# Altium PCB RTM_SFP_no-teardrops.PcbDoc (part 3 of 7) (continued)
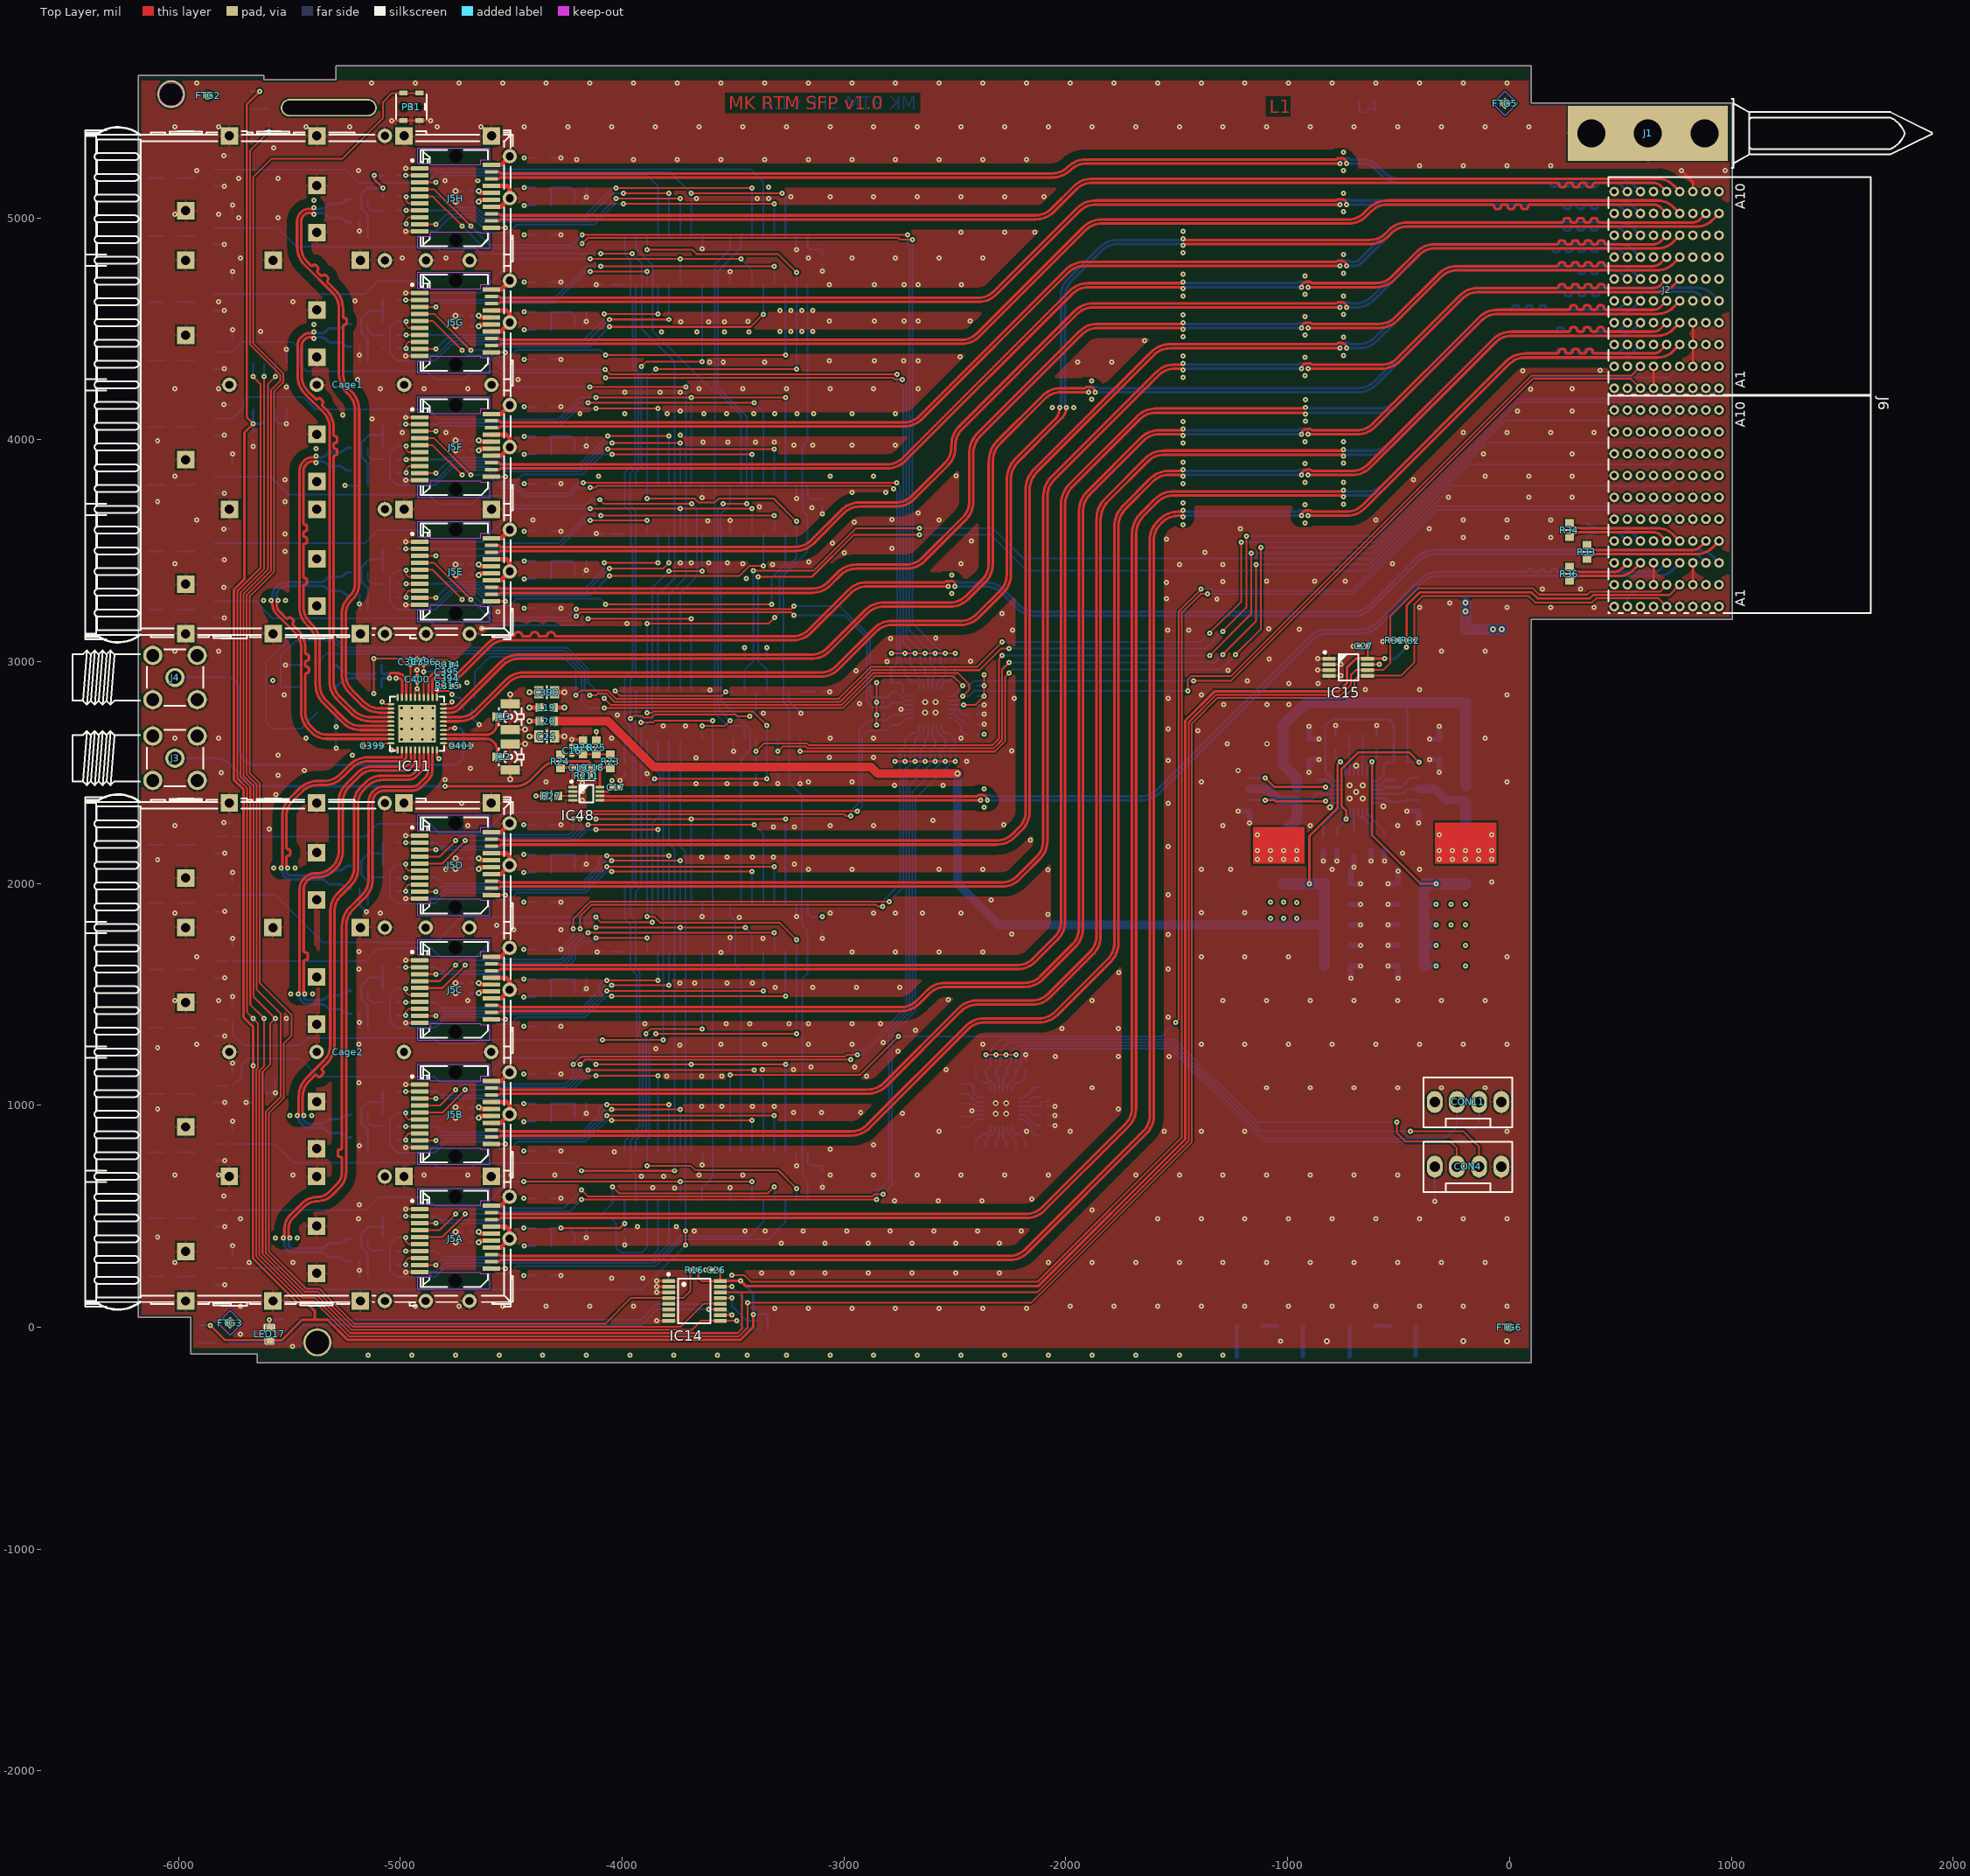
[diagram p0: Top Layer view]
## Nets (pads, with @x,y where several pads share a name; then routed paths per layer and width w, separated by ;. In a path a pad name is that pad's centre, name@x,y a point inside that pad or via, vN(x,y) a via of type N, cw(c..) or ccw(c..) an arc to the next point about the centre after c; other vN are vias at no path point) (continued)
  other v2: -822.83,-62.49 -208.68,-62.49 -11.83,-62.49 -720.87,2383.07 -661.81,2383.07 -691.34,2412.6 -720.87,2442.13 -661.81,2442.13
  other v3: -2316.14,962.2 -2268.9,962.2 -2316.14,1009.45 -2268.9,1009.45 -4995.28,2649.21 -4948.03,2649.21 -4900.79,2649.21 -4853.54,2649.21 -4995.28,2696.46 -4948.03,2696.46 -4900.79,2696.46 -4853.54,2696.46 -4995.28,2743.7 -4948.03,2743.7 -4900.79,2743.7 -4853.54,2743.7 -2634.59,2770.48 -2587.35,2770.48 -4995.28,2790.94 -4948.03,2790.94 -4900.79,2790.94 -4853.54,2790.94 -2634.59,2817.72 -2587.35,2817.72
  other v4: -1224.02,2509.06 -1092.52,2629.92
I2C_RESETN: IC39.24 R28.1 | length 138.1
  Bottom Layer w7.99: IC39.24@-2530.26,2744.89 -2507.88,2744.89 -2472.44,2709.45 -2472.44,2688.19 -2456.69,2672.44 R28.1@-2434.65,2672.44
NetC5_1: C5.1 IC11.34 | length 1612
  Top Layer w10: IC11.34@-4806.3,2690.55 -4786.61,2690.55 -4782.28,2694.88
  Top Layer w12: -4782.28,2694.88 -4776.38,2700.79 v1(-4755.51,2700.79)
  Bottom Layer w12: C5.1@-5760.83,2928.2 -5743.18,2910.55 cw(c-5783.84,2869.95) -5726.38,2869.95 -5726.38,2614.37 ccw(c-5640.35,2614.37) -5701.18,2553.54 ccw(c-5655.56,2599.17) -5655.56,2534.65 -4765.6,2534.65 ccw(c-4765.6,2583.71) -4716.54,2583.71 -4716.54,2677.56 ccw(c-4739.76,2677.56) -4739.76,2700.79 v1(-4755.51,2700.79)
NetC5_2: C5.2 J4.1 | length 219.9
  Bottom Layer w12: J4.1@-6016.16,2928.2 C5.2@-5796.26,2928.2
NetC11_1: C11.1 IC16.10 L1.1 T6.3 T6.7 T6.8 | length 605.4
  Bottom Layer w10: IC16.10@-614.57,2402.76 C11.1@-516.14,2402.76 -480.71,2402.76 -457.68,2425.79 T6.3@-410.24,2425.79
  Bottom Layer w39.37: T6.3@-410.24,2425.79 -334.06,2425.79 -284.06,2375.79 T6.7@-197.64,2375.79
  Bottom Layer w50: L1.1@-197.64,2204.33 T6.8@-197.64,2325.79 -197.64,2362.6
  other v1: -315.75,2109.06 -256.69,2109.06 -197.64,2109.06 -138.58,2109.06 -79.53,2109.06 -315.75,2148.43 -256.69,2148.43 -197.64,2148.43 -138.58,2148.43 -79.53,2148.43 -315.75,2219.29 -79.53,2218.9
NetC11_2: C11.2 IC16.8 | length 108.2
  Bottom Layer w10: IC16.8@-614.57,2442.13 -580.71,2442.13 -557.09,2465.75 C11.2@-516.14,2465.75
NetC16_1: C16.1 R23.1 R24.1 R25.2 R26.2 | length 210.2
  Top Layer w7.99: R24.1@-4266.93,2581.89 R23.1@-4056.69,2581.89
NetC18_1: C18.1 J3.1 R211.1 | length 2012.5
  Top Layer w12: v1(-4797.64,2438.19) -4483.15,2438.19 ccw(c-4483.15,2538.19) -4412.44,2467.48 -4358.82,2521.1 cw(c-4288.11,2450.39) -4288.11,2550.39 -4157.46,2550.39 cw(c-4157.46,2535.16) -4142.23,2535.16 C18.1@-4142.23,2522.83 R211.1@-4142.23,2487.01
  Bottom Layer w12: J3.1@-6016.16,2564.43 -5835.25,2564.43 cw(c-5835.25,2469.47) -5768.15,2536.65 -5698.97,2467.48 ccw(c-5628.26,2538.19) -5628.26,2438.19 v1(-4797.64,2438.19)
NetC18_2: C18.2 IC48.8 R23.2 | length 138.2
  Top Layer w12: IC48.8@-4100.39,2433.46 -4100.39,2516.43 C18.2@-4106.8,2522.83 R23.2@-4060.63,2522.83
NetC19_2: C19.2 IC48.1 R24.2 | length 154.9
  Top Layer w12: R24.2@-4278.74,2518.9 -4274.8,2522.83 C19.2@-4217.04,2522.83 -4222.44,2517.43 IC48.1@-4222.44,2433.46
NetC207_2: C207.2 IC16.16 | length 98.4
  Bottom Layer w10: C207.2@-701.18,2237.4 IC16.16@-701.18,2335.83
NetC214A_1: C214A.1 C220A.1 J5A.16 L5A.2 | length 200.6
  Top Layer w19.68: v2(-4647.55,429.92) -4639.92,422.29 J5A.16@-4590.14,422.29
  Bottom Layer w10: v1(-4443.28,446.84) L5A.2@-4392.29,446.84 ; v1(-4443.28,580.7) C220A.1@-4392.29,580.7
  Bottom Layer w11.81: C214A.1@-4685.6,429.92 v2(-4647.55,429.92)
NetC214B_1: C214B.1 C220B.1 J5B.16 L5B.2 | length 200.6
  Top Layer w19.68: v2(-4647.55,990.94) -4639.92,983.32 J5B.16@-4590.14,983.32
  Bottom Layer w10: v1(-4443.28,1007.87) L5B.2@-4392.29,1007.87 ; v1(-4443.28,1141.72) C220B.1@-4392.29,1141.72
  Bottom Layer w11.81: C214B.1@-4685.6,990.94 v2(-4647.55,990.94)
NetC214C_1: C214C.1 C220C.1 J5C.16 L5C.2 | length 200.6
  Top Layer w19.68: v2(-4647.55,1551.97) -4639.92,1544.34 J5C.16@-4590.14,1544.34
  Bottom Layer w10: v1(-4443.28,1568.89) L5C.2@-4392.29,1568.89 ; v1(-4443.28,1702.75) C220C.1@-4392.29,1702.75
  Bottom Layer w11.81: C214C.1@-4685.6,1551.97 v2(-4647.55,1551.97)
NetC214D_1: C214D.1 C220D.1 J5D.16 L5D.2 | length 200.6
  Top Layer w19.68: v2(-4647.55,2112.99) -4639.92,2105.36 J5D.16@-4590.14,2105.36
  Bottom Layer w10: v1(-4443.28,2129.91) L5D.2@-4392.29,2129.91 ; v1(-4443.28,2263.77) C220D.1@-4392.29,2263.77
  Bottom Layer w11.81: C214D.1@-4685.6,2112.99 v2(-4647.55,2112.99)
NetC214E_1: C214E.1 C220E.1 J5E.16 L5E.2 | length 200.6
  Top Layer w19.68: v2(-4646.99,3437.02) -4639.36,3429.39 J5E.16@-4589.58,3429.39
  Bottom Layer w10: v1(-4442.72,3453.94) L5E.2@-4391.73,3453.94 ; v1(-4442.72,3587.8) C220E.1@-4391.73,3587.8
  Bottom Layer w11.81: C214E.1@-4685.04,3437.02 v2(-4646.99,3437.02)
NetC214F_1: C214F.1 C220F.1 J5F.16 L5F.2 | length 200.6
  Top Layer w19.68: v2(-4646.99,3998.04) -4639.36,3990.41 J5F.16@-4589.58,3990.41
  Bottom Layer w10: v1(-4442.72,4014.96) L5F.2@-4391.73,4014.96 ; v1(-4442.72,4148.82) C220F.1@-4391.73,4148.82
  Bottom Layer w11.81: C214F.1@-4685.04,3998.04 v2(-4646.99,3998.04)
NetC214G_1: C214G.1 C220G.1 J5G.16 L5G.2 | length 200.6
  Top Layer w19.68: v2(-4646.99,4559.06) -4639.36,4551.43 J5G.16@-4589.58,4551.43
  Bottom Layer w10: v1(-4442.72,4575.98) L5G.2@-4391.73,4575.98 ; v1(-4442.72,4709.84) C220G.1@-4391.73,4709.84
  Bottom Layer w11.81: C214G.1@-4685.04,4559.06 v2(-4646.99,4559.06)
NetC214H_1: C214H.1 C220H.1 J5H.16 L5H.2 | length 200.6
  Top Layer w19.68: v2(-4646.99,5120.09) -4639.36,5112.46 J5H.16@-4589.58,5112.46
  Bottom Layer w10: v1(-4442.72,5137.01) L5H.2@-4391.73,5137.01 ; v1(-4442.72,5270.87) C220H.1@-4391.73,5270.87
  Bottom Layer w11.81: C214H.1@-4685.04,5120.09 v2(-4646.99,5120.09)
NetC219A_1: C219A.1 C228A.1 J5A.15 L11A.2 | length 200.5
  Top Layer w19.68: v2(-4647.55,383.27) -4640.02,390.8 J5A.15@-4590.14,390.8
  Bottom Layer w10: v1(-4443.28,233.46) C219A.1@-4392.29,233.46 ; v1(-4442.72,366.13) L11A.2@-4391.73,366.13
  Bottom Layer w11.81: C228A.1@-4685.6,383.27 v2(-4647.55,383.27)
NetC219B_1: C219B.1 C228B.1 J5B.15 L11B.2 | length 200.5
  Top Layer w19.68: v2(-4647.55,944.29) -4640.02,951.82 J5B.15@-4590.14,951.82
  Bottom Layer w10: v1(-4443.28,794.48) C219B.1@-4392.29,794.48 ; v1(-4443.28,927.16) L11B.2@-4392.29,927.16
  Bottom Layer w11.81: C228B.1@-4685.6,944.29 v2(-4647.55,944.29)
NetC219C_1: C219C.1 C228C.1 J5C.15 L11C.2 | length 200.5
  Top Layer w19.68: v2(-4647.55,1505.31) -4640.02,1512.84 J5C.15@-4590.14,1512.84
  Bottom Layer w10: v1(-4443.28,1355.5) C219C.1@-4392.29,1355.5 ; v1(-4443.28,1488.18) L11C.2@-4392.29,1488.18
  Bottom Layer w11.81: C228C.1@-4685.6,1505.31 v2(-4647.55,1505.31)
NetC219D_1: C219D.1 C228D.1 J5D.15 L11D.2 | length 200.5
  Top Layer w19.68: v2(-4647.55,2066.34) -4640.02,2073.87 J5D.15@-4590.14,2073.87
  Bottom Layer w10: v1(-4443.28,1916.53) C219D.1@-4392.29,1916.53 ; v1(-4443.28,2049.21) L11D.2@-4392.29,2049.21
  Bottom Layer w11.81: C228D.1@-4685.6,2066.34 v2(-4647.55,2066.34)
NetC219E_1: C219E.1 C228E.1 J5E.15 L11E.2 | length 200.5
  Top Layer w19.68: v2(-4646.99,3390.36) -4639.46,3397.89 J5E.15@-4589.58,3397.89
  Bottom Layer w10: v1(-4442.72,3240.55) C219E.1@-4391.73,3240.55 ; v1(-4442.72,3373.23) L11E.2@-4391.73,3373.23
  Bottom Layer w11.81: C228E.1@-4685.04,3390.36 v2(-4646.99,3390.36)
NetC219F_1: C219F.1 C228F.1 J5F.15 L11F.2 | length 200.5
  Top Layer w19.68: v2(-4646.99,3951.39) -4639.46,3958.91 J5F.15@-4589.58,3958.91
  Bottom Layer w10: v1(-4442.72,3801.58) C219F.1@-4391.73,3801.58 ; v1(-4442.72,3934.25) L11F.2@-4391.73,3934.25
  Bottom Layer w11.81: C228F.1@-4685.04,3951.39 v2(-4646.99,3951.39)
NetC219G_1: C219G.1 C228G.1 J5G.15 L11G.2 | length 200.5
  Top Layer w19.68: v2(-4646.99,4512.41) -4639.46,4519.94 J5G.15@-4589.58,4519.94
  Bottom Layer w10: v1(-4442.72,4362.6) C219G.1@-4391.73,4362.6 ; v1(-4442.72,4495.28) L11G.2@-4391.73,4495.28
  Bottom Layer w11.81: C228G.1@-4685.04,4512.41 v2(-4646.99,4512.41)
NetC219H_1: C219H.1 C228H.1 J5H.15 L11H.2 | length 200.5
  Top Layer w19.68: v2(-4646.99,5073.43) -4639.46,5080.96 J5H.15@-4589.58,5080.96
  Bottom Layer w10: v1(-4442.72,4923.62) C219H.1@-4391.73,4923.62 ; v1(-4442.72,5056.3) L11H.2@-4391.73,5056.3
  Bottom Layer w11.81: C228H.1@-4685.04,5073.43 v2(-4646.99,5073.43)
NetC280_1: C280.1 IC16.21 L2.1 T5.3 T5.7 T5.8 | length 595.3
  Bottom Layer w10: T5.7@-958.66,2375.79 -893.5,2375.79 C280.1@-866.54,2402.76 IC16.21@-768.11,2402.76
  Bottom Layer w39.37: T5.3@-1171.26,2425.79 -1089.96,2425.79 -1039.96,2375.79 T5.7@-958.66,2375.79
  Bottom Layer w50: L2.1@-1018.5,2227.17 -958.66,2287.01 T5.8@-958.66,2325.79 -958.66,2362.6
  other v1: -1136.61,2109.06 -1077.56,2109.06 -1018.5,2109.06 -959.45,2109.06 -1136.61,2148.43 -1077.56,2148.43 -1018.5,2148.43 -959.45,2148.43 -1136.61,2219.29
NetC280_2: C280.2 IC16.23 | length 108.2
  Bottom Layer w10: C280.2@-866.54,2465.75 -820.87,2465.75 -797.24,2442.13 IC16.23@-768.11,2442.13
NetC386_2: C386.2 IC16.14 IC16.15 | length 194
  Bottom Layer w10: IC16.15@-681.5,2335.83 -681.5,2305.91 -674.41,2298.82 -661.81,2298.82 ; IC16.14@-661.81,2335.83 -661.81,2298.82 ; C386.2@-624.41,2209.84 -624.41,2261.42 -661.81,2298.82
NetC392_1: C392.1 IC11.9 R313.2 | length 231.3
  Top Layer w10: IC11.9@-4993.31,2838.19 -4993.31,2859.08 -4992.46,2859.92
  Top Layer w12: v1(-5018.69,2925.59) -5001.97,2925.59 -4992.46,2916.09 -4992.46,2859.92
  Bottom Layer w12: R313.2@-5085.04,2983.07 C392.1@-5085.04,2949.61 -5079.13,2943.7 -5064.17,2943.7 -5058.47,2949.4 -5028.23,2949.4 -5018.69,2939.86 v1(-5018.69,2925.59)
NetC393_1: C393.1 IC11.8 R312.2 | length 254.3
  Top Layer w10: -4974.46,2859.92 -4973.62,2859.08 IC11.8@-4973.62,2838.19
  Top Layer w12: v1(-5048.61,2925.59) -5048.61,2941.43 -5040.64,2949.4 -5008.83,2949.4 -5003.01,2943.59 -4993.7,2943.59 -4974.46,2924.35 -4974.46,2859.92
  Bottom Layer w12: R312.2@-5085.04,2886.22 C393.1@-5085.04,2919.68 -5079.13,2925.59 v1@-5056.83,2925.59
NetC394_1: C394.1 IC11.2 R315.2 | length 172.8
  Top Layer w10: -4856.35,2859.92 -4855.51,2859.08 IC11.2@-4855.51,2838.19
  Top Layer w12: -4856.35,2859.92 -4856.35,2917.66 -4845.02,2928.99 -4824.64,2928.99 -4818.88,2923.23 C394.1@-4803.94,2923.23 R315.2@-4803.94,2889.76
NetC395_1: C395.1 IC11.3 R314.2 | length 202.6
  Top Layer w10: IC11.3@-4875.2,2838.19 -4875.2,2859.08 -4874.35,2859.92
  Top Layer w12: -4874.35,2859.92 -4874.35,2925.12 -4852.48,2946.99 -4824.64,2946.99 -4818.88,2952.76 C395.1@-4803.94,2952.76 R314.2@-4803.94,2986.22
NetC396_2: C396.2 IC11.4 R314.1 R315.1 | length 537.1
  Top Layer w7.99: IC11.4@-4894.88,2838.19 v1(-4894.88,2955.51) C396.2@-4894.88,2984.25 -4870.08,2984.25 -4845.67,3008.66 -4788.62,3008.66 -4768.5,2988.55 R314.1@-4768.5,2986.22 ; R315.1@-4768.5,2889.76 v1(-4737.8,2889.76)
  Bottom Layer w7.99: v1(-4894.88,2955.51) -4754.33,2955.51 -4737.8,2938.98 v1(-4737.8,2889.76)
NetC397_2: C397.2 IC11.7 R312.1 R313.1 | length 544.5
  Top Layer w7.99: v1(-5120.47,2855.51) v1(-5120.47,3013.78) -4999.61,3013.78 -4970.08,2984.25 C397.2@-4953.94,2984.25 IC11.7@-4953.94,2838.19
  Bottom Layer w7.99: v1(-5120.47,2855.51) R312.1@-5120.47,2886.22 ; R313.1@-5120.47,2983.07 v1(-5120.47,3013.78)
NetCON4_2: CON4.2 IC40.15 R355.1 | length 2652.3
  Top Layer w7.99: v1(-446.06,883.86) -208.66,883.86 -137.02,812.22 CON4.2@-137.02,723.87
  Bottom Layer w7.99: IC40.15@-2302.36,1066.54 -2302.36,1117.65 -2315.8,1131.09 R355.1@-2315.8,1162.2 -2313.48,1162.2 -2293.31,1182.37 -2293.31,1248.03 -2257.84,1283.5 -1517.15,1283.5 -1117.51,883.86 v1(-446.06,883.86)
NetCON4_3: CON4.3 IC40.14 R354.1 | length 2646
  Top Layer w7.99: v1(-507.87,924.8) -507.87,876.38 -469.29,837.8 -268.11,837.8 -237.02,806.71 CON4.3@-237.02,723.87
  Bottom Layer w7.99: IC40.14@-2322.05,1066.54 -2322.05,1092.06 -2361.08,1131.09 R354.1@-2361.08,1162.2 -2358.75,1162.2 -2338.58,1182.37 -2338.58,1250 -2291.09,1297.49 -1511.35,1297.49 -1138.67,924.8 v1(-507.87,924.8)
NetCON11_2: CON11.2 IC40.17 R357.1 | length 2578.4
  Bottom Layer w7.99: IC40.17@-2262.99,1066.54 -2262.99,1093.55 -2225.45,1131.09 R357.1@-2225.45,1162.2 -2223.12,1162.2 -2203.15,1182.17 -2203.15,1245.28 -2192.91,1255.51 -1528.74,1255.51 -1108.81,835.58 -223.08,835.58 -137.02,921.64 CON11.2@-137.02,1015.21
NetCON11_3: CON11.3 IC40.16 R356.1 | length 2518.6
  Bottom Layer w7.99: IC40.16@-2282.68,1066.54 -2282.68,1118.95 -2270.53,1131.09 R356.1@-2270.53,1162.2 -2268.2,1162.2 -2248.72,1181.68 -2248.72,1237.86 -2248.82,1237.96 -2217.28,1269.5 -1522.94,1269.5 -1103.02,849.57 -292.94,849.57 -237.02,905.5 CON11.3@-237.02,1015.21
NetF1_1: F1.1 J6.A1 J6.A2 J6.B1 J6.B2 | length 282.9
  Bottom Layer w50: v2(-197.64,3266.03) F1.1@-197.64,3146.06 v2(-34.74,3146.06)
  other v2: -74.02,3146.06 -197.64,3226.77
NetIC1_2: IC1.2 IC2.1 IC5.1 IC7.1 IC9.1 | length 4260.3
  Bottom Layer w7.99: IC9.1@-3164.17,573.08 -3164.17,662.6 -3188.58,687.01 -3188.58,1569.69 -3164.17,1594.09 IC7.1@-3164.17,1695.13 -3164.17,1786.61 -3190.16,1812.6 -3190.16,2397.64 -3248.03,2455.51 IC1.2@-3248.03,2651.57 -3248.03,2790.94 -3273.23,2816.14 -3273.23,3388.08 -3164.17,3497.13 IC5.1@-3164.17,3580.17 -3164.17,3654.33 -3188.98,3679.13 -3188.98,3971.65 -3164.17,3996.46 IC2.1@-3164.17,4702.22
NetIC1_4: IC1.4 IC2.2 IC3.3 IC4.3 IC5.2 IC6.3 IC7.2 IC8.3 IC9.2 IC10.3 | length 9767.7
  Top Layer w7.99: v1(-3888.78,727.94) -3692.12,727.94 -3672.04,707.87 -3296.85,707.87 v1(-3214.17,625.19) ; v1(-3888.78,1849.99) -3854.72,1849.99 -3827.31,1822.59 -3289.52,1822.59 v1(-3214.17,1747.24) ; v1(-3888.78,2768.68) -3864.78,2768.68 -3858.66,2774.8 -3409.83,2774.8 v1(-3348.03,2713.01) ; v1(-3888.78,3171.65) -3338.98,3171.65 v1(-3311.81,3198.82) ; v1(-3888.78,3735.04) -3673.62,3735.04 -3655.12,3716.54 -3582.68,3716.54 -3564.17,3735.04 -3316.93,3735.04 v1(-3214.17,3632.28) ; v1(-3888.78,4857.09) -3685.04,4857.09 -3664.96,4837.01 -3297.64,4837.01 -3297.24,4837.4 v1(-3214.17,4754.33) ; v1(-3854.72,2471.65) v1(-3348.03,2471.65) ; v1(-3849.21,1322.43) v1(-3214.17,1322.43) ; v1(-3849.21,4318.9) v1(-3214.17,4318.9)
  Bottom Layer w7.99: v1(-3888.78,727.94) IC8.3@-3888.78,789.38 -3888.78,844.49 -3878.94,854.33 -3878.94,1292.71 v1(-3849.21,1322.43) ; v1(-3888.78,1849.99) IC6.3@-3888.78,1911.43 -3888.78,2437.6 v1(-3854.72,2471.65) ; v1(-3888.78,2768.68) IC10.3@-3888.78,2867.13 v1(-3888.78,3171.65) ; v1(-3888.78,3735.04) IC4.3@-3888.78,3796.47 -3888.78,4279.33 v1(-3849.21,4318.9) ; v1(-3888.78,4857.09) IC3.3@-3888.78,4918.52 ; v1(-3348.03,2471.65) IC1.4@-3348.03,2651.57 v1(-3348.03,2713.01) ; v1(-3311.81,3198.82) -3290.06,3220.57 -3290.06,3391.04 -3214.17,3466.93 IC5.2@-3214.17,3580.17 v1(-3214.17,3632.28) ; IC9.2@-3214.17,573.08 v1(-3214.17,625.19) ; v1@-3214.17,1311.8 v1(-3214.17,1322.43) IC7.2@-3214.17,1695.13 v1(-3214.17,1747.24) ; v1(-3214.17,4318.9) IC2.2@-3214.17,4702.22 v1(-3214.17,4754.33)